# Altium PCB hep-0002.PcbDoc (part 2 of 3)
Units mm, origin at the board's own origin, x right, y up, seen from the top; angles counter-clockwise.
Board outline 120.4 x 43.4 mm, 4 copper layers (Top Layer, Signal_1, Signal_2, GND), stack 1.57 mm thick; 167 components, 143 nets, 557 pads, 227 vias.
Unrouted connection lines stored in the file: 1.
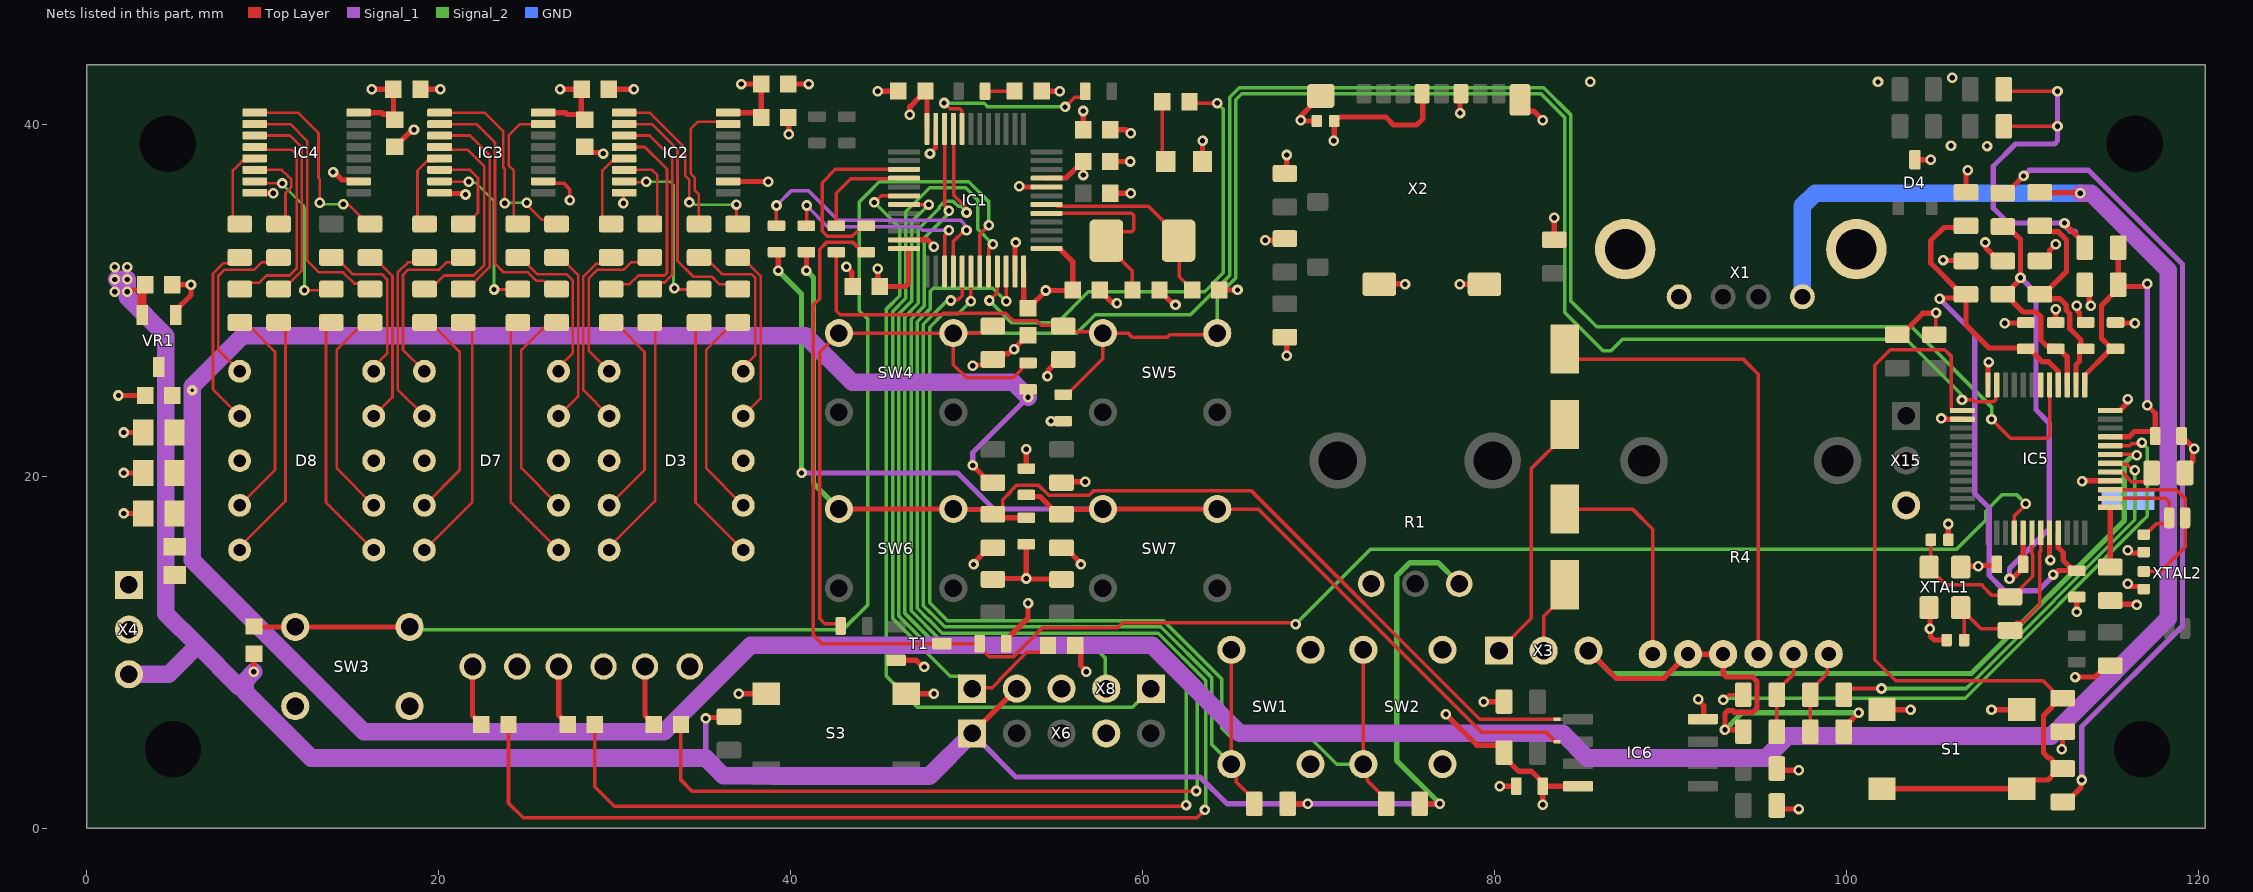
[diagram p4: the nets of this part, all layers, seen from the top]

## Part data (continued)
XTAL2: library part "XTAL_MC-146 32.7680KA-A3: PURE SN", "Crystals 32.768KHz 9pF 20ppm -40c +85C", Manufacturer=Epson, Manufacturer Part Number="MC-146 32.768KA-AC3:ROHS", Supplier Part Number 1=732-MC14632.76KAAC3R, Alternatives allowed=NO, Supplier 1=Mouser
Y1: library part "SMD-5032_2P 8MHz 20ppm 20pF", "贴片晶振", Package=SMD-5032_2P, SuppliersPartNumber=C115962, ComponentLink1Description=供应商链接, ComponentLink1URL=http://www.szlcsc.com/product/details_117214.html, Supplier=LC

## Free pads (board coordinates)
  round 1.524 hole 3.2 unplated: MT-1(4.6,38.9) MT-1(4.9,4.5) MT-2(116.4,38.9) MT-2(116.8,4.5)

## Via types
v1: diameter 0.6, hole 0.3, Top Layer to GND, 226 vias
v2: diameter 0.6, hole 0.2, Top Layer to GND, 1 vias

## Nets (pads, with @x,y where several pads share a name; then routed paths per layer and width w, separated by ;. In a path a pad name is that pad's centre, name@x,y a point inside that pad or via, vN(x,y) a via of type N, cw(c..) or ccw(c..) an arc to the next point about the centre after c; other vN are vias at no path point)
3V3: C1.2 C2.2 C3.2 C4.2 C5.1 C7.1 C14.2 C16.2 C20.2 C21.2 C22.2 C23.2 C24.2 IC1.1 IC1.9 IC1.24 IC1.36 IC1.48 IC2.10 IC2.16 IC3.10 IC3.16 IC4.10 IC4.16 R1.3 R6.2 R7.2 R8.2 R16.2 VR1.2 X4.3 X6.1 X13.2 | length 177.5
  Top Layer w0.2: IC3.10@25.95,36.725 26.018,36.657 27.125,36.657 27.266,36.516 27.266,36.499 27.46,36.305 v1(27.46,35.7)
  Top Layer w0.3: v1@2.4,30.5 2.427,30.5 2.527,30.6 C16.2@3.019,30.6 ; v1(9.5,8.9) R8.2@9.5,9.85 ; v1(14,37.3) 14.054,37.3 14.504,36.85 15.375,36.85 IC4.10@15.45,36.775 ; IC4.16@15.45,40.675 16.745,40.675 16.835,40.585 17.185,40.585 C23.2@17.43,40.34 ; v1(16.2,42) C24.2@17.43,42 C23.2@17.43,40.34 ; C23.2@17.43,40.27 C23.2@17.43,40.34 ; C23.2@17.5,40.27 C23.2@17.43,40.34 ; IC3.16@25.95,40.675 27.2,40.675 27.303,40.572 C21.2@27.998,40.572 ; v1(26.9,42) C22.2@28.1,42 ; C21.2@28.023,40.547 C21.2@28.3,40.27 ; C21.2@28.1,40.585 C22.2@28.1,42 ; C22.2@28.13,42 C22.2@28.1,42 ; v1(35.175,6.25) 35.225,6.3 35.95,6.3 36.2,6.55 R16.2@36.2,6.65 ; IC2.16@36.45,40.675 38.015,40.675 38.2,40.49 C14.2@38.2,40.4 ; IC2.10@36.67,36.8 36.708,36.762 38.713,36.762 v1(38.725,36.75) ; v1(37.2,42.3) C20.2@38.33,42.3 C14.2@38.33,40.4 ; v1(44.95,31.8) 44.95,30.92 C4.2@45.07,30.8 46.524,30.8 46.7,30.976 46.7,32.94 46.69,32.95 IC1.36@46.45,32.95 ; v1(46.775,40.55) 46.78,40.555 46.78,41.005 47.335,41.56 47.355,41.56 47.4,41.605 C3.2@47.4,41.625 ; C3.2@47.67,41.9 47.75,41.82 IC1.24@47.75,39.75 ; X6.1@50.2,5.8 50.72,5.8 X13.2@52.86,7.94 52.9,7.98 X13.2@52.9,8 ; IC1.48@53.25,31.65 53.25,29.82 C1.2@53.5,29.57 53.525,29.57 54.5,30.545 v1(54.5,30.57) 56,30.57 C2.2@56.03,30.6 56.03,32.21 55.29,32.95 IC1.1@54.55,32.95 ; IC1.9@54.55,36.95 54.56,36.96 55.66,36.96 C5.1@56.3,37.6 ; v1@56.6,37.1 v1(56.63,37.13) C5.1@56.63,37.9 ; v1@56.6,40.8 v1(56.63,40.77) C7.1@56.63,39.7 ; R6.2@68.45,1.4 v1(69.4,1.4) ; R7.2@75.95,1.4 v1(76.9,1.4)
  Top Layer w0.5: VR1.2@3.15,29.175 C16.2@3.15,30.72 ; C16.2@3.23,30.6 3.23,30.8 C16.2@3.33,30.9
  Signal_1 w0.3: 35.175,4 v1(35.175,6.25) ; X6.1@50.7,5.1 50.7,5.02 52.795,2.925 63.275,2.925 64.8,1.4 v1(69.4,1.4) v1(76.9,1.4)
  Signal_1 w1: v1@1.7,31.2 v1(2.3,31.2) v1(2.3,30.5) 2.3,30.2 4.5,28 4.5,12.2 6.3,10.4 ; X4.3@2.4,8.76 4.66,8.76 6.3,10.4 ; 8.65,8.05 6.3,10.4 ; v1(9.5,8.9) 9,8.4 9,7.749 12.749,4 35.175,4 36.175,3 39,3 ; 39,2.975 47.895,2.975 X6.1@50.32,5.4
  Signal_2 w0.3: v1(76.9,1.4) 74.446,3.854 74.446,14.337 75.212,15.103 76.797,15.103 R1.3@78,13.9
  other v1: 1.6,30.5 1.6,31.2 1.6,31.9 2.3,31.9
5V0: C15.2 C17.2 C18.2 C19.2 C25.2 L2.2 R40.2 R49.1 VR1.3 X1.1 | length 241.7
  Top Layer w0.3: v1(50.35,20.625) 50.95,20.025 50.95,19.975 51.275,19.65 R40.2@51.5,19.65 ; v1(53.5,24.5) C25.2@53.5,24.95 ; R49.1@111.05,36.1 111.075,36.125 113.275,36.125 v1(113.3,36.1)
  Signal_1 w0.3: v1(50.35,20.625) 50.35,21.35 v1(53.5,24.5)
  Signal_1 w1: v1(53.5,24.5) 52.65,25.35 43.499,25.35 40.849,28 8.872,28 6,25.128 v2(6,24.9) 6,15.249 15.749,5.5 32.827,5.5 37.727,10.4 60.539,10.4 65.539,5.4 83.886,5.4 85.286,4 95.427,4 96.677,5.25 111.651,5.25 112.237,5.836 112.237,5.868 118.3,11.931 118.3,31.729 113.929,36.1 v1(113.3,36.1)
  GND w1: X1.1@97.5,30.21 97.5,35.37 98.23,36.1 v1(113.3,36.1)
5V0_IN: L2.1 X4.1
AGND: C32.1 C33.1 C34.1 C43.1 IC5.40 NT1.1 | length 6.3
  Top Layer w0.3: v1(113.4,19.725) 113.425,19.75 IC5.40@115,19.75 ; C34.1@113.55,30.9 113.802,30.648 113.802,29.879 113.9,29.781 v1(113.9,29.7) ; C32.1@115.35,28.7 115.375,28.725 116.375,28.725 v1(116.4,28.7) ; C43.1@119.25,20.2 119.25,20.425 119.69,20.865 119.69,21.69 119.7,21.7 119.646,21.7 C33.1@119.3,22.046
  other v1: 119.775,21.575
AMP_SHD: IC5.6
Audio_Buffer: C13.1 C47.1 IC5.43 R4.1 R4.4 X3.3 | length 67.7
  Top Layer w0.2: IC5.43@115,21.25 116.45,21.25 v1(116.5,21.2)
  Top Layer w0.3: X3.3@85.34,10.1 86.926,8.514 89.614,8.514 R4.4@91,9.9 R4.1@93,9.9 93,8.776 93.176,8.6 94.68,8.6 94.925,8.355 94.925,6.845 94.68,6.6 93.62,6.6 93.524,6.696 93.276,6.696 93.1,6.52 v1(93.1,5.6) 94.05,5.6 C13.1@94.15,5.5 ; C47.1@100.088,5.037 100.088,5.963 100.694,6.569 v1(100.697,6.569)
  Signal_2 w0.3: X3.3@85.34,10.1 86.64,8.8 107.1,8.8 115.8,17.5 115.8,20.749 116.194,21.143 116.443,21.143 v1(116.5,21.2) ; v1(93.1,5.6) 94.069,6.569 v1(100.697,6.569)
Audio_Left: IC5.44 R77.2 | length 35.9
  Top Layer w0.2: v1(93,7.3) 93.017,7.3 93.317,7.6 R77.2@94.15,7.6 ; IC5.44@115,21.75 116.1,21.75 116.2,21.85 116.725,21.85 v1(116.8,21.925)
  Signal_2 w0.2: v1(93,7.3) 93.077,7.377 93.294,7.377 93.317,7.4 106.761,7.4 107.411,8.05 116.75,17.389 117.1,17.739 117.1,21.595 116.8,21.895 v1(116.8,21.925)
Audio_Left_Con: C50.2 X3.1 | length 14.4
  Top Layer w0.2: X3.1@80.26,10.1 82.1,11.94 82.1,20.45 84,22.35 C50.2@84,22.95
Audio_Right: IC5.42 R78.2 | length 25
  Top Layer w0.2: R78.2@99.85,7.6 100.2,7.95 v1(102,7.95) ; IC5.42@115,20.75 115.05,20.7 115.942,20.7 116.292,20.35 v1(116.4,20.35)
  Signal_2 w0.2: v1(102,7.95) 106.816,7.95 107.266,8.4 116.4,17.534 v1(116.4,20.35)
Audio_Right_Con: C49.2 X3.2 | length 4.2
  Top Layer w0.2: X3.2@82.8,10.1 82.8,12.05 84,13.25 C49.2@84,13.85
AVDD: R51.1 R52.1 R53.1 | length 22.1
  Top Layer w0.2: R51.1@109.05,39.925 109.075,39.9 v1(112,39.9) ; R53.1@109.05,41.925 109.075,41.9 v1(112,41.9)
  Top Layer w0.3: v1(112.4,34.4) 112.4,34.368 112.726,34.043 112.732,34.043 113.338,33.437 R52.1@113.338,33.338
  Signal_1 w0.3: v1(112,41.9) v1(112,39.9) 112,39.076 111.824,38.9 109.622,38.9 108.35,37.628 108.35,35.25 109.2,34.4 v1(112.4,34.4) 112.4,34.319 112.55,34.169 112.55,34.118 112.726,33.943 112.963,33.943 113.006,33.9
BOOT0: IC1.44 R12.2 X13.1 | length 44.5
  Top Layer w0.2: X13.1@50.36,8 51.46,8 51.85,8.39 51.85,8.435 53.425,10.01 54.51,10.01 R12.2@54.8,10.3 ; IC1.44@51.25,31.65 51.25,32.95 v1(51.5,33.2)
  Signal_2 w0.2: X13.1@50.32,7.94 49.62,8.64 49.085,8.64 45.8,11.925 45.8,29.375 46.55,30.125 46.55,35.05 47.9,36.4 49.95,36.4 50.65,35.7 50.65,34.05 v1(51.5,33.2)
"Button Reset": C27.2 IC5.13 R43.1 S1.1 S1.3 | length 52
  Top Layer w0.2: IC5.13@106.6,23.75 106.05,23.75 105.95,23.85 105.95,26.85 105.6,27.2 102.491,27.2 101.615,26.324 101.615,9.585 102.8,8.4 111.175,8.4 C27.2@112.175,7.4
  Top Layer w0.3: S1.3@102.025,2.25 S1.1@109.975,2.25 110.475,2.75 111.451,2.75 111.75,3.049 111.75,3.275 111.975,3.5 111.75,3.725 111.75,3.824 111.574,4 111.5,4 111.2,4.3 111.2,6.425 C27.2@112.175,7.4
Button_1: IC5.28 R59.2 R61.2 T1.C | length 100.9
  Top Layer w0.2: R61.2@44.3,32.75 44.1,32.75 43.55,33.3 42.04,33.3 41.65,32.91 41.65,30.1 41.3,29.75 41.3,10.984 41.784,10.5 T1.C@48.5,10.5 ; T1.C@48.6,10.5 R59.2@50.75,10.5 50.75,10.3 51.3,9.75 52.67,9.75 54.32,11.4 58.569,11.4 58.869,11.7 68.433,11.7 68.475,11.657 68.643,11.657 v1(68.7,11.6) ; IC5.28@109.55,16.8 109.55,17.75 110.2,18.4 v1(110.2,18.45)
  Signal_2 w0.2: v1(68.7,11.6) 72.95,15.85 106.243,15.85 107.407,17.014 107.421,17.014 107.925,17.518 107.925,18.032 108.843,18.95 109.7,18.95 110.15,18.5 110.2,18.5 v1(110.2,18.45)
Button_1_In: C25.1 IC5.5 R13.2 R60.2 SW4.1 SW4.3 | length 125.6
  Top Layer w0.2: R60.2@42.85,11.5 42.723,11.627 41.95,11.627 41.65,11.927 41.65,27.05 SW4.1@42.75,28.15 SW4.3@49.25,28.15 ; R13.2@51.5,28.55 51.265,28.55 50.865,28.15 SW4.3@49.25,28.15 ; C25.1@53.5,26.45 53.31,26.45 53.11,26.25 53.11,26.06 52.65,25.6 50,25.6 49.25,26.35 SW4.3@49.25,28.15 ; v1(108.25,23.25) 109.333,22.167 111.433,22.167 111.55,22.284 IC5.5@111.55,25.2
  Signal_2 w0.2: SW4.3@49.25,28.15 56.265,28.15 57.315,29.2 62.727,29.2 64.95,31.423 64.95,41.55 65.5,42.1 82.795,42.1 84.35,40.545 84.35,29.96 85.81,28.5 103.702,28.5 108.252,23.95 108.252,23.252 v1(108.25,23.25)
Button_1_MCU: IC1.41 R6.1 SW1.1 SW1.3 | length 53.1
  Top Layer w0.2: v1(49.1,30) 49.157,30.057 49.538,30.057 49.75,30.269 IC1.41@49.75,31.65 ; SW1.1@65,3.6 SW1.1@65.05,3.65 ; SW1.3@65.05,10.15 SW1.1@65.05,3.65 ; R6.1@66.35,1.4 66.35,1.625 65.318,2.657 65.318,3.382 SW1.1@65.05,3.65
  Signal_2 w0.2: v1(49.1,30) 49.043,29.943 48.843,29.943 47.55,28.65 47.55,12.65 47.95,12.25 47.972,12.25 48.772,11.45 61.048,11.45 63.95,8.548 63.95,4.75 SW1.1@65.05,3.65
BUTTON_2: C26.1 IC5.11 R41.2 R82.2 SW5.1 SW5.3 | length 102.5
  Top Layer w0.2: R82.2@42.6,32.7 42.6,29.417 42.817,29.2 48.576,29.2 48.651,29.275 52.234,29.275 52.654,28.855 53.984,28.855 54.239,28.6 R41.2@55.4,28.6 ; C26.1@55.5,24.65 55.7,24.65 57.75,26.7 SW5.1@57.75,28.15 ; R41.2@55.5,28.55 55.828,28.222 57.678,28.222 SW5.1@57.75,28.15 ; SW5.3@64.25,28.15 64.15,28.05 61.54,28.05 61.39,27.9 59.427,27.9 59.177,28.15 SW5.1@57.75,28.15 ; v1(106.575,24.35) 107.175,24.35 107.275,24.25 108.383,24.25 108.5,24.367 108.5,25.15 IC5.11@108.55,25.2
  Signal_2 w0.2: SW5.3@64.25,28.15 64.25,30.228 65.3,31.278 65.3,41.405 65.645,41.75 82.65,41.75 84,40.4 84,29.322 86.172,27.15 86.628,27.15 87.278,27.8 103.4,27.8 106.498,24.702 106.498,24.427 v1(106.575,24.35)
Button_2_MCU: IC1.42 R7.1 SW2.1 SW2.3 | length 60.3
  Top Layer w0.2: v1@50.1,29.8 v1(50.25,29.95) IC1.42@50.25,31.65 ; SW2.1@72.3,3.4 SW2.1@72.55,3.65 ; SW2.3@72.55,10.15 SW2.1@72.55,3.65 ; R7.1@73.85,1.4 73.487,1.763 73.487,2.013 72.778,2.722 72.778,3.422 SW2.1@72.55,3.65
  Signal_2 w0.2: v1(50.25,29.95) 49.539,29.239 48.664,29.239 47.9,28.475 47.9,12.817 48.917,11.8 61.193,11.8 64.5,8.493 64.5,5.7 65,5.2 69.485,5.2 71.035,3.65 SW2.1@72.55,3.65
Button_3: C28.1 NT3.1 R44.2 R62.2 SW6.1 SW6.3 | length 64.6
  Top Layer w0.2: R44.2@51.725,17.85 52.05,18.175 52.05,18.67 52.5,19.12 52.5,19.16 52.6,19.26 52.84,19.5 54.091,19.5 54.666,18.925 56.205,18.925 56.969,18.925 57.244,19.2 58.256,19.2 63.744,19.2 64.756,19.2 66.166,19.2 79.166,6.2 NT3.1@83.4,6.2 ; NT3.1@83.4,6.205 NT3.1@83.5,6.205
  Top Layer w0.3: v1(40.9,31.7) R62.2@40.9,32.75 ; SW6.1@42.75,18.15 SW6.3@49.25,18.15 49.272,18.128 51.222,18.128 R44.2@51.5,17.85 R44.2@51.725,17.85 ; R44.2@51.554,17.796 51.7,17.65 C28.1@53.35,17.65
  Signal_2 w0.3: v1(40.9,31.7) 41.3,31.3 41.3,19.6 42.5,18.4 SW6.1@42.5,18.3
Button_3_MCU: IC1.43 R8.1 SW3.1 SW3.3 | length 70.9
  Top Layer w0.2: IC1.43@50.75,31.65 50.75,33.75 v1(51.275,34.275)
  Top Layer w0.3: R8.1@9.5,11.47 9.52,11.45 SW3.1@11.85,11.45 18.05,11.45 SW3.3@18.1,11.4
  Signal_2 w0.2: SW3.3@18.35,11.45 18.5,11.3 42.983,11.3 44.4,12.717 44.4,28.927 43.9,29.427 43.9,35.6 44.4,36.1 45.05,36.75 50.125,36.75 51.275,35.6 v1(51.275,34.275)
Button_4: C29.1 NT2.1 R46.2 R68.2 SW7.1 SW7.3 | length 67.3
  Top Layer w0.15: NT2.1@83.4,4.935 83.45,4.935 NT2.1@83.5,4.935
  Top Layer w0.2: SW7.3@64.25,18.15 66.579,18.15 77.629,7.1 79.279,5.45 82.935,5.45 NT2.1@83.45,4.935
  Top Layer w0.3: R68.2@39.2,32.75 39.3,32.65 v1(39.3,31.7) ; C29.1@53.4,18.95 53.494,18.856 54.169,18.856 54.85,18.175 55.175,17.85 R46.2@55.4,17.85 55.678,18.128 57.728,18.128 SW7.1@57.75,18.15 SW7.3@64.25,18.15
  Signal_1 w0.3: v1(40.625,20.2) 49.5,20.2 51.55,18.15 SW7.1@57.75,18.15
  Signal_2 w0.3: v1@39.302,31.602 39.398,31.602 40.625,30.375 v1(40.625,20.2)
CVDD: R43.2 R54.1 | length 46.5
  Top Layer w0.3: R54.1@108.998,36.002 109.013,36.002 109.461,36.45 109.461,36.466 v1(110.075,37.08) ; R43.2@112.3,1.5 112.525,1.5 112.85,1.825 112.85,1.837 113.339,2.326 113.339,2.714 v1(113.375,2.75)
  Signal_1 w0.3: v1@110,37 110.4,37.4 113.76,37.4 119.1,32.06 119.1,11.5 113.375,5.775 v1(113.375,2.75)
GND: C1.1 C2.1 C3.1 C4.1 C5.2 C6.2 C7.2 C8.1 C9.2 C10.2 C11.1 C12.1 C14.1 C15.1 C16.1 C17.1 C18.1 C19.1 C20.1 C21.1 C22.1 C23.1 C24.1 C26.2 C27.1 C28.2 C29.2 C30.1 C31.1 C35.1 C36.1 C37.1 C38.1 C39.1 C40.1 C41.1 C42.1 C44.1 C45.1 C46.1 C48.2 D1.1 D2.1 D3.3 D3.8 D4.3 D7.3 D7.8 D8.3 D8.8 D9.1 D10.K IC1.8 IC1.23 IC1.35 IC1.47 IC2.8 IC3.8 IC4.8 IC5.12 IC5.14 IC5.32 IC5.48 IC6.4 NT1.2 R1.1 R12.1 R13.1 R42.2 R45.2 R48.2 R79.2 S1.2 S1.4 S3.2 S3.4 SW1.2 SW1.4 SW2.2 SW2.4 SW3.2 SW3.4 T1.E VR1.1 X1.4 X1.S1 X1.S2 X2.6 X2.G1 X2.G2 X2.G3 X2.G4 X4.2 X6.4 X8.3 X15.3 XTAL1.2 XTAL1.4 | length 94.4
  Top Layer w0.2: IC2.8@30.45,36.125 30.5,36.075 v1@30.5,35.6
  Top Layer w0.25: v1@47.925,38.351 48.25,38.676 IC1.23@48.25,39.75
  Top Layer w0.3: v1(1.8,24.6) C15.1@3.33,24.6 ; v1(2.1,17.9) C18.1@3.23,17.9 ; v1(2.1,20.2) C17.1@3.23,20.2 ; v1(2.1,22.5) C19.1@3.23,22.5 ; C16.1@4.87,30.9 v1(5.925,30.9) 5.925,30.3 5.05,29.425 VR1.1@5.05,29.175 ; IC4.8@9.65,36.1 v1(10.6,36.1) ; C23.1@17.5,38.73 17.525,38.73 18.313,39.518 18.336,39.518 18.519,39.7 v1(18.6,39.7) ; C24.1@18.97,42 v1(20.1,42) ; IC3.8@20.05,36.125 20.1,36.075 21.475,36.075 v1(21.525,36.025) ; C21.1@28.355,38.7 28.64,38.415 29.204,38.415 29.269,38.35 v1(29.35,38.35) ; C22.1@29.7,42 v1(31.1,42) ; v1(37.05,7.65) S3.4@38.1,7.65 ; C14.1@39.87,40.4 39.9,40.37 v1@39.9,39.504 ; C20.1@39.9,42.3 v1(41.03,42.3) ; v1(43.175,31.925) 43.175,31.911 43.475,31.611 43.475,30.855 C4.1@43.53,30.8 ; v1(44.95,41.9) C3.1@46.25,41.9 ; T1.E@46.25,9.5 46.3,9.55 47.144,9.55 47.519,9.175 v1(47.6,9.175) ; IC1.35@46.45,33.45 47.775,33.45 48.15,33.075 v1(48.15,33.05) ; S3.2@47.1,7.65 v1(48.15,7.65) ; v1@50.4,26.3 50.438,26.338 51.088,26.338 R13.1@51.35,26.6 ; R13.1@51.5,26.65 51.825,26.975 52.391,26.975 52.646,27.23 v1(52.7,27.23) 52.7,27.255 53.475,28.03 C1.1@53.5,28.03 ; R48.2@52.1,14.2 v1(53.4,14.2) ; IC1.47@52.75,31.65 52.75,33.15 v1@52.9,33.3 ; v1@52.8,33.246 v1(52.8,33.3) ; v1(53,36.5) 53.054,36.5 53.104,36.45 IC1.8@53.8,36.45 ; C28.2@53.4,16.1 v1(53.4,14.2) ; C29.2@53.4,20.5 v1(53.4,21.55) ; C9.2@54.35,41.9 v1(55.3,41.9) ; v1(54.8,23.15) C26.2@55.5,23.15 ; R79.2@55.4,14.15 55.375,14.175 53.425,14.175 v1(53.4,14.2) ; R42.2@55.7,19.7 v1(56.75,19.7) ; R12.1@56.15,10.2 56.345,10.2 56.485,10.06 56.485,9.269 56.8,8.954 v1(56.8,8.9) ; C2.1@57.55,30.595 58.238,29.907 58.493,29.907 v1(58.55,29.85) ; C5.2@58.17,37.9 v1(59.3,37.9) ; C7.2@58.17,39.7 59.052,39.7 59.249,39.504 v1(59.33,39.504) ; C12.1@58.2,36.1 v1(59.33,36.1) ; C6.2@60.95,30.595 61.795,29.75 v1(61.875,29.75) ; D10.K@63.415,37.9 v1(63.415,39.075) ; C10.2@64.45,30.6 v1(65.4,30.6) ; v1(68.192,26.868) R45.2@68.192,27.818 ; v1(69,40.25) 69.05,40.2 C48.2@69.9,40.2 ; v1@69.057,40.307 69.057,40.547 69.522,41.012 69.522,41.101 70.045,41.625 X2.G1@70.135,41.625 ; X2.G4@74.225,31.405 74.225,30.987 74.259,30.954 74.896,30.954 v1(74.925,30.925) ; v1(78.025,30.925) X2.G3@79.43,30.925 ; v1(78.05,40.65) X2.6@78.05,41.825 ; v1(80.3,2.4) C8.1@81.25,2.4 ; X2.G2@81.395,41 81.64,40.755 82.245,40.755 v1(82.75,40.25) ; v1(91.583,7.333) 91.583,7.279 91.9,6.962 IC6.4@91.9,6.35 ; S1.4@102.025,6.75 v1(103.65,6.75) v1@103.7,6.8 ; D4.3@104.07,38 v1(104.8,38) ; XTAL1.4@104.75,12.55 v1(104.75,11.35) 104.788,11.312 104.788,10.912 105,10.7 C35.1@105.7,10.7 C35.1@105.8,10.7 ; v1(105.4,23.3) 105.454,23.3 105.504,23.25 IC5.14@106.6,23.25 ; v1(105.5,32.3) 105.525,32.275 106.525,32.275 C45.1@106.55,32.3 ; C36.1@105.8,16.4 v1(105.8,17.3) ; XTAL1.2@106.55,14.85 106.6,14.9 v1(107.5,14.9) 107.538,14.938 108.462,14.938 C37.1@108.5,14.9 ; v1(107.9,33.3) 107.938,33.262 107.938,32.987 108.675,32.25 C40.1@108.9,32.25 ; IC5.12@108.05,25.2 108.05,26.396 108.1,26.446 v1(108.1,26.5) ; v1(108.25,6.75) S1.2@109.7,6.75 ; v1(109,28.7) 109.025,28.725 110.175,28.725 C44.1@110.2,28.75 ; C30.1@111.012,32.263 111.237,32.263 111.55,32.575 111.55,32.85 v1(111.9,33.2) ; IC5.32@111.55,16.8 111.55,15.3 v1(111.6,15.25) ; C41.1@111.9,28.75 v1(111.9,29.5) ; v1(112.25,4.5) 112.289,4.539 112.289,5.489 C27.1@112.3,5.5 ; C27.1@112.625,5.4 C27.1@112.833,5.192 ; v1(113,8.6) 114.125,8.6 114.775,9.25 C11.1@115,9.25 ; v1(113.1,12.3) C46.1@113.1,13.25 ; v1(113.1,29.7) 113.157,29.643 113.157,29.388 113.25,29.296 113.25,28.9 113.4,28.75 C31.1@113.6,28.75 ; IC5.48@115,23.75 115.55,23.75 115.962,24.162 115.962,24.362 v1(116,24.4) ; C42.1@115.15,12.7 115.188,12.738 116.462,12.738 v1(116.5,12.7) ; v1(116,13.9) 116.054,13.9 116.204,13.75 116.7,13.75 C39.1@116.85,13.6 ; v1(116,15.8) 116.054,15.8 116.204,15.65 C38.1@116.9,15.65
  other v1: 50.35,26.3 30.5,35.525 47.925,38.35 108,38.775 105.95,38.8 39.9,39.454 85.455,42.44 101.799,42.42 106.012,42.665
IOVDD: C8.2 C48.1 IC6.8 R41.1 R44.1 R46.1 R47.2 R50.2 R56.1 R57.1 R58.1 R59.1 R70.2 R71.2 R72.2 R76.2 R80.1 X2.4 | length 37.9
  Top Layer w0.2: R47.2@105.075,28.15 v1@105.075,29.275
  Top Layer w0.3: v1(50.4,15) 50.438,15.038 50.438,15.113 51.375,16.05 R44.1@51.5,16.05 ; R59.1@52.25,10.5 52.25,10.7 53.5,11.95 v1(53.5,12.8) ; v1(54.6,25.7) 54.638,25.738 54.638,26.013 55.275,26.65 R41.1@55.5,26.65 ; R46.1@55.4,15.95 55.625,15.95 56.462,15.113 56.462,15.038 v1(56.5,15) ; v1(66.983,33.429) 67.971,33.429 R80.1@68,33.4 ; R80.1@67.917,33.543 R80.1@67.942,33.568 ; R57.1@68.192,37.218 v1(68.192,38.268) ; v1(70.875,39.075) 70.9,39.1 C48.1@70.9,40.25 ; C48.1@70.9,40.2 C48.1@70.9,40.25 ; X2.4@75.925,41.799 75.925,40.326 75.574,39.975 74.275,39.975 73.825,40.425 71.226,40.425 71.201,40.4 71.05,40.4 C48.1@70.9,40.25 ; v1(77.246,6.483) 78.998,4.731 80.225,4.731 80.55,4.406 R70.2@80.55,4.3 80.55,4.075 81.375,3.25 82.1,3.25 82.75,2.6 C8.2@82.75,2.4 ; v1(79.4,7.2) R71.2@80.55,7.2 ; v1@82.7,1.3 v1(82.75,1.35) C8.2@82.75,2.4 ; R58.1@83.4,33.45 v1(83.4,34.7) ; IC6.8@84.75,2.395 84.748,2.398 82.753,2.398 C8.2@82.75,2.4 ; R72.2@96.35,1.1 v1(97.3,1.1) ; R76.2@96.35,3.3 v1(97.3,3.3) ; R50.2@103,28.15 R50.2@102.9,28.05 103.125,28.05 104.35,29.275 105.075,29.275 v1(105.1,29.3) ; R56.1@106.8,36.05 R56.1@106.8,36.15 106.8,37.246 106.9,37.346 v1(106.9,37.4)
LED1: IC1.45 R2.2 | length 28.3
  Top Layer w0.2: v1(51.3,30) 51.75,30.45 IC1.45@51.75,31.65 ; R2.2@62.67,41.3 62.751,41.219 v1(64.25,41.219)
  Signal_2 w0.2: v1(51.3,30) 52.575,28.725 55.15,28.725 56.925,30.5 63.532,30.5 64.6,31.568 64.6,40.869 v1(64.25,41.219)
LED2: IC1.46 R3.2 | length 94.8
  Top Layer w0.2: R3.2@23.97,5.9 23.97,1.43 24.8,0.6 63.1,0.6 v1(63.55,1.05) ; v1@52.2,29.9 v1(52.25,29.95) IC1.46@52.25,31.65
  Signal_2 w0.2: v1@52.2,30 51.5,30.7 48.117,30.7 47.95,30.533 47.95,29.545 47.2,28.795 47.2,12.505 47.805,11.9 47.827,11.9 48.627,11.1 60.903,11.1 63.6,8.403 63.6,1.1 v1(63.55,1.05)
LED3: IC1.21 R5.2 | length 93.3
  Top Layer w0.2: R5.2@28.87,5.9 28.87,2.37 29.99,1.25 62.4,1.25 v1(62.475,1.325) ; IC1.21@49.25,39.75 49.265,39.735 49.265,35.985 49.923,35.327 49.923,35.077 v1(50,35)
  Signal_2 w0.2: v1(50,35) 50,35.033 49.683,35.35 49.528,35.35 49.228,35.65 48.772,35.65 48.45,35.328 48.45,35.25 47.25,34.05 47.25,29.835 46.5,29.085 46.5,12.215 48.265,10.45 48.287,10.45 48.337,10.4 60.613,10.4 62.5,8.513 62.5,1.35 v1(62.475,1.325)
LED4: IC1.22 R10.2 | length 85.3
  Top Layer w0.2: R10.2@33.77,5.9 33.77,2.747 34.417,2.1 63.025,2.1 v1(63.05,2.125) ; IC1.22@48.75,39.75 48.75,35.417 49,35.167 v1(49,35.1)
  Signal_2 w0.2: v1(49,35.1) 49,34.992 48.851,34.842 48.851,34.801 47.6,33.55 47.6,29.69 46.85,28.94 46.85,12.36 48.41,10.8 48.432,10.8 48.482,10.75 60.758,10.75 63.1,8.408 63.1,2.175 v1(63.05,2.125)
NetC6_1: C6.1 IC1.5 Y1.1 | length 10.4
  Top Layer w0.2: IC1.5@54.55,34.95 59.383,34.95 59.5,34.833 59.5,34.017 59.383,33.9 58.45,33.9 Y1.1@57.95,33.4 ; Y1.1@58.2,32.8 58.3,32.8 59.43,31.67 C6.1@59.43,30.6
NetC9_1: C9.1 R67.1 | length 1.8
  Top Layer w0.2: R67.1@50.9,41.9 C9.1@52.73,41.9
NetC10_1: C10.1 IC1.6 Y1.2 | length 11.1
  Top Layer w0.2: IC1.6@55,35.5 55.14,35.36 60.34,35.36 62.05,33.65 Y1.2@62.05,33.4 ; Y1.2@62.1,33.3 62.1,31.355 62.83,30.625 C10.1@62.83,30.6
NetC13_2: C13.2 R4.3 R77.1 | length 4.8
  Top Layer w0.2: C13.2@96.05,5.5 R77.1@96.05,7.6 96.05,7.825 97,8.775 R4.3@97,9.9
NetC30_2: C30.2 C31.2 IC5.2 R49.2 | length 12.7
  Top Layer w0.3: C30.2@111,30.35 C30.2@111.054,30.296 ; R49.2@111,34.25 111.325,33.925 111.724,33.925 111.749,33.9 111.8,33.9 112.049,33.9 112.516,33.433 112.516,31.641 111.325,30.45 111.208,30.45 C30.2@111.054,30.296 ; IC5.2@113.05,25.2 113.05,26.35 113.25,26.55 113.25,27.1 113.4,27.25 C31.2@113.479,27.25 ; C31.2@113.6,27.25 C31.2@113.479,27.25 ; C30.2@111.054,30.296 111.25,30.1 112.149,30.1 112.5,29.749 112.5,29.451 112.7,29.251 112.7,28.4 113.329,27.771 113.329,27.4 C31.2@113.479,27.25
NetC32_2: C32.2 C33.2 C34.2 IC5.1 IC5.45 R52.2 | length 21.5
  Top Layer w0.3: IC5.1@113.55,25.2 113.55,25.75 114.9,27.1 115.1,27.1 115.15,27.1 115.2,27.15 C32.2@115.3,27.25 ; IC5.45@115,22.25 116.072,22.25 116.372,22.55 C33.2@117.45,22.55 ; C32.2@115.1,27.25 114.95,27.4 114.5,27.85 114.5,29.725 C34.2@115.4,30.625 ; R52.2@115.45,32.9 115.45,31.25 C34.2@115.5,31.2 ; C34.2@115.5,30.8 116.869,30.8 117.019,30.95 v1(117.1,30.95) ; v1(117.1,24.048) 117.554,23.594 C33.2@117.554,22.55
  Signal_1 w0.3: v1(117.1,24.048) v1(117.1,30.95)
NetC35_2: C35.2 IC5.31 R55.2 XTAL1.1 | length 11.8
  Top Layer w0.2: C35.2@106.7,10.7 106.7,12.4 106.55,12.55 106.9,12.55 106.9,12.1 107.65,11.35 109.3,11.35 109.663,11.713 110.013,11.713 111,12.7 111,15.707 111.05,15.757 IC5.31@111.05,16.8
NetC36_2: C36.2 IC5.30 R55.1 XTAL1.3 | length 11.2
  Top Layer w0.2: XTAL1.3@104.75,14.85 104.8,14.9 XTAL1.3@104.8,14.98 ; C36.2@104.8,16.4 XTAL1.3@104.8,14.98 ; IC5.30@110.55,16.8 110.55,15.61 110.58,15.58 110.6,15.56 110.6,14.325 109.525,13.25 108.25,13.25 107.72,13.78 107.72,13.833 105.667,13.833 104.8,14.7 104.8,14.85 XTAL1.3@104.8,14.98
NetC37_2: C37.2 C40.2 C41.2 IC5.3 IC5.29 R54.2 | length 33.2
  Top Layer w0.3: C40.2@109.125,30.45 109.9,31.225 v1(109.9,31.3) 109.9,33.475 109.45,33.925 R54.2@109.225,34.15 ; C40.2@109.2,30.2 109.275,30.2 109.45,30.025 109.45,29.95 110.05,29.35 110.78,29.35 111.05,29.08 111.05,27.75 111.4,27.4 111.75,27.4 C41.2@111.9,27.25 ; v1(109.275,14.175) 109.332,14.232 109.482,14.232 110.05,14.8 110.05,16.25 IC5.29@110.05,16.8 ; C41.2@112,27.35 112.55,26.8 IC5.3@112.55,25.2
  Signal_1 w0.3: v1(109.275,14.175) 109.275,14.775 111.525,17.025 111.525,23.048 110.783,23.79 110.783,30.417 v1(109.9,31.3)
NetC38_2: C38.2 IC5.38 XTAL2.1 | length 6.3
  Top Layer w0.2: IC5.38@115,18.75 118.15,18.75 118.35,18.55 XTAL2.1@118.35,17.65 118.35,17.496 118.154,17.3 117.6,17.3 117.2,16.9 117.1,16.9 C38.2@116.9,16.7
NetC39_2: C39.2 IC5.39 XTAL2.4 | length 10.2
  Top Layer w0.2: IC5.39@115,19.25 118.75,19.25 119.25,18.75 XTAL2.4@119.25,17.65 119.25,15.975 117.875,14.6 C39.2@116.9,14.6
NetC42_2: C42.2 IC5.37 | length 3.4
  Top Layer w0.3: C42.2@115,14.85 IC5.37@115,18.25
NetC43_2: C43.2 IC5.41 | length 2.9
  Top Layer w0.2: IC5.41@115,20.25 115.05,20.2 115.732,20.2 115.95,19.982 115.95,19.943 116.193,19.7 116.976,19.7 117.35,20.074 C43.2@117.35,20.2
NetC44_2: C44.2 C45.2 C46.2 IC5.4 IC5.33 R56.2 | length 42.2
  Top Layer w0.3: v1(105.3,30.1) 105.338,30.138 C45.2@106.713,30.138 ; C45.2@106.8,30.35 106.8,28.6 108.1,27.3 110.35,27.3 111.124,26.526 111.476,26.526 112.05,25.952 IC5.4@112.05,25.2 ; R56.2@106.8,34.15 105.55,34.15 104.8,33.4 104.8,32.125 106.494,30.431 106.8,30.431 106.862,30.431 107.006,30.431 C45.2@106.903,30.328 ; v1(111.75,14.425) 111.831,14.425 112.056,14.65 C46.2@112.9,14.65 ; IC5.33@112.05,16.8 112.05,15.948 112.326,15.672 112.326,15.224 C46.2@112.9,14.65 ; C46.2@113.1,14.65 C46.2@112.9,14.65
  Signal_1 w0.3: v1(105.3,30.1) 107.3,28.1 107.3,19.022 107.672,18.65 108.125,18.197 108.125,14.375 109,13.5 110.9,13.5 111.75,14.35 v1(111.75,14.425)
NetC47_2: C47.2 R4.6 R78.1 | length 4.8
  Top Layer w0.2: C47.2@97.95,5.5 R78.1@97.95,7.6 97.95,7.825 98.925,8.8 98.925,9.825 R4.6@99,9.9
NetC49_1: C49.1 R4.5 | length 12.6
  Top Layer w0.2: C49.1@84,18.15 87.85,18.15 89,17 R4.5@89,9.9
NetC50_1: C50.1 R4.2 | length 27.5
  Top Layer w0.2: C50.1@84,27.25 84.575,26.675 94.125,26.675 95,25.8 R4.2@95,9.9
NetD1_2: D1.2 R5.1 | length 3.5
  Top Layer w0.3: D1.2@26.83,9.2 26.83,6.425 27.33,5.925 R5.1@27.33,5.9
NetD2_2: D2.2 R3.1 | length 3.5
  Top Layer w0.3: D2.2@21.93,9.2 21.93,6.425 22.43,5.925 R3.1@22.43,5.9
NetD3_1: D3.1 R14.2 | length 9.7
  Top Layer w0.15: D3.1@29.69,25.98 28.525,27.145 28.525,31.249 29.026,31.75 30.285,31.75 30.524,31.75 30.942,32.169 31.494,32.169 R14.2@31.775,32.45 ; R14.2@32.075,32.45 R14.2@32.3,32.45
NetD3_2: D3.2 R9.2 | length 10.6
  Top Layer w0.15: D3.2@29.69,23.44 28.225,24.905 28.225,31.374 28.938,32.087 29.437,32.087 R9.2@29.8,32.45
NetD3_4: D3.4 R20.1 | length 11.9
  Top Layer w0.15: D3.4@29.69,18.36 31.7,20.37 31.7,27.084 30.3,28.484 R20.1@30.3,28.85
NetD3_5: D3.5 R19.1 | length 14
  Top Layer w0.15: D3.5@29.69,15.82 29.69,15.99 32.3,18.6 R19.1@32.3,28.75
NetD3_6: D3.6 R17.2 | length 14.1
  Top Layer w0.15: R17.2@34.809,28.75 34.6,28.541 34.6,18.53 D3.6@37.31,15.82
NetD3_7: D3.7 R18.1 | length 11.9
  Top Layer w0.15: R18.1@36.6,28.85 36.6,28.59 36.36,28.35 35.2,27.19 35.2,20.47 D3.7@37.31,18.36
NetD3_9: D3.9 R15.1 | length 10.1
  Top Layer w0.15: R15.1@37.009,32.45 37.25,32.45 38.3,31.4 38.3,24.43 D3.9@37.31,23.44
NetD3_10: D3.10 R11.1 | length 9.3
  Top Layer w0.15: R11.1@34.809,32.45 35.182,32.077 35.523,32.077 36.1,31.5 37.776,31.5 38,31.276 38,26.9 37.31,26.21 D3.10@37.31,25.98
NetD7_1: D7.1 R25.2 | length 9.9
  Top Layer w0.15: D7.1@19.19,25.98 17.975,27.195 17.975,31.461 18.264,31.75 20.024,31.75 20.442,32.169 20.994,32.169 R25.2@21.275,32.45 ; R25.2@21.575,32.45 R25.2@21.8,32.45
NetD7_2: D7.2 R21.2 | length 10.8
  Top Layer w0.15: D7.2@19.19,23.44 17.675,24.955 17.675,31.586 18.258,32.169 19.019,32.169 R21.2@19.3,32.45
NetD7_4: D7.4 R31.1 | length 11.9
  Top Layer w0.15: D7.4@19.19,18.36 21.2,20.37 21.2,27.084 19.8,28.484 R31.1@19.8,28.85
NetD7_5: D7.5 R30.1 | length 14.5
  Top Layer w0.15: D7.5@19.19,15.99 D7.5@19.19,15.82 21.9,18.53 21.9,28.353 21.628,28.625 R30.1@21.375,28.625
NetD7_6: D7.6 R28.2 | length 14.1
  Top Layer w0.15: R28.2@24.309,28.75 24.1,28.541 24.1,18.53 D7.6@26.81,15.82
NetD7_7: D7.7 R29.1 | length 11.9
  Top Layer w0.15: R29.1@26.1,28.85 26.1,28.59 25.86,28.35 24.7,27.19 24.7,20.47 D7.7@26.81,18.36
NetD7_9: D7.9 R27.1 | length 10.1
  Top Layer w0.15: R27.1@26.75,32.45 26.925,32.45 27.925,31.45 27.925,24.555 D7.9@26.81,23.44
NetD7_10: D7.10 R22.1 | length 9.4
  Top Layer w0.15: R22.1@24.309,32.45 24.682,32.077 25.023,32.077 25.6,31.5 27.276,31.5 27.6,31.176 27.6,31.174 27.625,31.149 27.625,27.025 26.81,26.21 D7.10@26.81,25.98
NetD8_1: D8.1 R34.2 | length 9.9
  Top Layer w0.15: D8.1@8.69,25.98 7.475,27.195 7.475,31.399 7.826,31.75 9.524,31.75 9.942,32.169 10.494,32.169 R34.2@10.775,32.45 ; R34.2@11.075,32.45 R34.2@11.3,32.45
NetD8_2: D8.2 R32.2 | length 10.7
  Top Layer w0.15: D8.2@8.69,23.44 7.175,24.955 7.175,31.524 7.775,32.124 8.474,32.124 R32.2@8.8,32.45
NetD8_4: D8.4 R39.1 | length 11.9
  Top Layer w0.15: D8.4@8.69,18.36 10.7,20.37 10.7,27.084 9.3,28.484 R39.1@9.3,28.85
NetD8_5: D8.5 R38.1 | length 14
  Top Layer w0.15: D8.5@8.69,15.82 8.69,15.99 11.3,18.6 R38.1@11.3,28.75
NetD8_6: D8.6 R36.2 | length 14.1
  Top Layer w0.15: R36.2@13.809,28.75 13.6,28.541 13.6,18.53 D8.6@16.31,15.82
NetD8_7: D8.7 R37.1 | length 11.9
  Top Layer w0.15: R37.1@15.6,28.85 15.6,28.59 15.36,28.35 14.2,27.19 14.2,20.47 D8.7@16.31,18.36
NetD8_9: D8.9 R35.1 | length 10
  Top Layer w0.15: R35.1@16.25,32.45 16.325,32.45 17.375,31.4 17.375,24.505 D8.9@16.31,23.44
NetD8_10: D8.10 R33.1 | length 9.3
  Top Layer w0.15: R33.1@13.809,32.45 14.182,32.077 14.523,32.077 15.1,31.5 16.776,31.5 17.075,31.201 17.075,26.975 16.31,26.21 D8.10@16.31,25.98
NetD9_2: D9.2 R10.1 | length 3.5
  Top Layer w0.3: D9.2@31.73,9.2 31.73,6.425 32.23,5.925 R10.1@32.23,5.9
NetD10_A: D10.A R2.1 | length 4
  Top Layer w0.2: R2.1@60.765,40.935 R2.1@61.13,41.3 61.13,38.085 D10.A@61.315,37.9
NetIC1_20: IC1.20 R26.1 | length 10.9
  Top Layer w0.2: v1(48.725,41.225) 48.75,41.225 49.075,40.9 49.611,40.9 49.734,40.777 49.734,39.766 IC1.20@49.75,39.75 ; v1(55.6,41) 56.15,41.55 56.55,41.55 56.7,41.7 R26.1@56.7,41.9
  Signal_2 w0.2: v1@48.65,41.2 51.001,41.2 51.201,41 v1(55.6,41)
NetIC1_27: IC1.27 R61.1 | length 10.6
  Top Layer w0.2: R61.1@44.3,34.2 44.05,34.2 43.5,33.65 42.09,33.65 41.8,33.94 41.8,36.7 42.55,37.45 IC1.27@46.45,37.45
NetIC1_28: IC1.28 R82.1 | length 5.5
  Top Layer w0.2: R82.1@42.6,34.25 42.6,36.1 43.425,36.925 IC1.28@45.915,36.925
NetIC1_30: IC1.30 X8.1 | length 45.9
  Top Layer w0.2: v1(44.75,35.575) 44.778,35.575 45.153,35.95 IC1.30@46.45,35.95
  Signal_2 w0.2: v1(44.75,35.575) 46.2,34.125 46.2,30.27 45.45,29.52 45.45,8.65 47.21,6.89 59.43,6.89 X8.1@60.48,7.94
NetIC1_31: IC1.31 X8.2 | length 40
  Top Layer w0.2: IC1.31@46.45,35.45 v1(47.85,35.45) v1@47.9,35.5
  Signal_2 w0.2: v1(47.85,35.45) 46.9,34.5 46.9,29.98 46.15,29.23 46.15,12.07 48.17,10.05 57.506,10.05 57.895,9.661 X8.2@57.895,7.985
NetIC1_39: IC1.39 R62.1 | length 12.3
  Top Layer w0.2: R62.1@40.9,34.25 40.925,34.275 v1(40.925,35.4) ; IC1.39@48.75,31.65 48.75,33.683 49,33.933 v1(49,34)
  Signal_1 w0.2: v1(40.925,35.4) 40.925,35.375 42.1,34.2 47.275,34.2 47.475,34 v1(49,34)
NetIC1_40: IC1.40 R68.1 | length 16
  Top Layer w0.2: R68.1@39.2,34.25 v1(39.2,35.4) ; IC1.40@49.25,31.65 49.25,33.35 49.9,34 v1(50,34)
  Signal_1 w0.2: v1@39.202,35.498 39.298,35.498 40.05,36.25 41,36.25 42.7,34.55 49.672,34.55 49.837,34.385 49.837,34.371 49.923,34.285 49.923,34.077 v1(50,34)
NetIC2_1: IC2.1 R15.2 | length 11.3
  Top Layer w0.15: IC2.1@30.55,40.675 31.995,40.675 34.025,38.645 34.025,37.084 34.25,36.859 v1(34.25,35.575) ; R15.2@36.925,34.325 v1(36.925,35.45)
  Signal_2 w0.15: v1(34.25,35.575) 34.336,35.489 34.524,35.489 34.563,35.45 v1(36.925,35.45)
NetIC2_2: IC2.2 R18.2 | length 13.9
  Top Layer w0.15: IC2.2@30.55,40.025 32.126,40.025 33.575,38.576 33.575,32.251 34.476,31.35 35.524,31.35 35.942,30.931 36.719,30.931 R18.2@36.9,30.75
NetIC2_3: IC2.3 R19.2 | length 11.5
  Top Layer w0.15: IC2.3@30.55,39.375 31.992,39.375 33.275,38.092 33.275,31.453 32.845,31.023 32.382,31.023 R19.2@32.009,30.65
NetIC2_4: IC2.4 R20.2 | length 12.2
  Top Layer w0.15: R20.2@30.034,30.65 30.315,30.931 30.858,30.931 31.351,31.425 32.823,31.425 32.975,31.577 32.975,37.463 31.713,38.725 IC2.4@30.55,38.725
NetIC2_5: IC2.5 R9.1 | length 4.9
  Top Layer w0.15: R9.1@29.899,34.35 29.697,34.35 29.3,34.747 29.3,37.385 29.84,37.925 30.4,37.925 IC2.5@30.55,38.075
NetIC2_6: IC2.6 R14.1 | length 5
  Top Layer w0.15: IC2.6@30.55,37.425 32.137,37.425 32.425,37.137 32.425,34.747 32.028,34.35 R14.1@32,34.35
NetIC2_7: IC2.7 R17.1 | length 10.3
  Top Layer w0.15: IC2.7@30.4,36.625 IC2.7@30.55,36.775 ; IC2.7@30.85,36.725 31.775,36.725 v1(31.8,36.75) ; v1(33.4,30.7) 33.475,30.625 R17.1@34.8,30.625 ; R17.1@34.275,30.75 R17.1@34.5,30.75 ; R17.1@34.8,30.65 R17.1@34.809,30.65
  Signal_2 w0.15: v1(31.8,36.75) 33.15,36.75 33.35,36.55 33.35,30.75 v1(33.4,30.7)
NetIC2_15: IC2.15 R11.2 | length 7.9
  Top Layer w0.15: R11.2@34.8,34.35 34.775,34.375 34.775,36.051 34.55,36.276 34.55,36.983 34.325,37.208 34.325,39.75 34.725,40.15 36.325,40.15 IC2.15@36.45,40.025
NetIC3_1: IC3.1 R27.2 | length 11.7
  Top Layer w0.15: IC3.1@20.05,40.675 22.609,40.675 23.675,39.609 23.675,37.555 23.75,37.48 v1(23.75,35.525) ; v1(25,35.55) 25,35.45 25.863,34.587 26.463,34.587 R27.2@26.7,34.35
  Signal_2 w0.15: v1(23.75,35.525) 23.775,35.55 v1(25,35.55)
NetIC3_2: IC3.2 R29.2 | length 14.2
  Top Layer w0.15: IC3.2@20.05,40.025 22.143,40.025 23.2,38.968 23.2,32.1 23.7,31.6 25.076,31.6 25.544,31.132 25.987,31.132 26.369,30.75 R29.2@26.4,30.75
NetIC3_3: IC3.3 R30.2 | length 11.6
  Top Layer w0.15: IC3.3@20.05,39.375 21.78,39.375 22.9,38.255 22.9,31.906 21.644,30.65 R30.2@21.509,30.65
NetIC3_4: IC3.4 R31.2 | length 12.2
  Top Layer w0.15: R31.2@19.534,30.735 19.822,31.023 19.907,31.023 20.309,31.425 21.995,31.425 22.6,32.03 22.6,37.603 21.628,38.575 20.2,38.575 IC3.4@20.05,38.725
NetIC3_5: IC3.5 R21.1 | length 4.9
  Top Layer w0.15: R21.1@19.399,34.35 19.197,34.35 18.8,34.747 18.8,37.385 19.34,37.925 19.9,37.925 IC3.5@20.05,38.075
NetIC3_6: IC3.6 R25.1 | length 5.4
  Top Layer w0.15: IC3.6@20.05,37.425 21.784,37.425 22.241,36.968 22.241,34.99 21.601,34.35 R25.1@21.5,34.35
NetIC3_7: IC3.7 R28.1 | length 10.5
  Top Layer w0.15: IC3.7@19.9,36.625 IC3.7@20.05,36.775 ; IC3.7@20.325,36.85 20.425,36.75 v1(21.716,36.75) ; v1(23.15,30.625) R28.1@24.059,30.625 ; R28.1@24,30.75 R28.1@24.3,30.75 ; R28.1@24.309,30.65 24.084,30.65 R28.1@24.059,30.625 ; R28.1@24.5,30.65 24.475,30.625 R28.1@24.059,30.625
  Signal_2 w0.15: v1(21.716,36.75) 21.77,36.696 22.104,36.696 23.15,35.65 v1(23.15,30.625)
NetIC3_15: IC3.15 R22.2 | length 7.1
  Top Layer w0.15: R22.2@24.25,34.7 24.275,34.725 24.275,37.379 23.975,37.679 23.975,39.375 24.625,40.025 IC3.15@25.95,40.025
NetIC4_1: IC4.1 R35.2 | length 11.5
  Top Layer w0.15: IC4.1@9.55,40.675 12.019,40.675 13.175,39.519 13.175,36.958 13.25,36.883 v1(13.25,35.55) ; v1(14.575,35.475) 14.85,35.475 15.502,34.823 15.502,34.747 15.899,34.35 R35.2@16.1,34.35
  Signal_2 w0.15: v1(13.25,35.55) 13.325,35.475 v1(14.575,35.475)
NetIC4_2: IC4.2 R37.2 | length 14.2
  Top Layer w0.15: IC4.2@9.55,40.025 11.575,40.025 12.53,39.071 12.53,33.646 12.543,33.633 12.543,32.257 13.2,31.6 14.576,31.6 15.206,30.97 15.68,30.97 R37.2@15.9,30.75
NetIC4_3: IC4.3 R38.2 | length 11.6
  Top Layer w0.15: IC4.3@9.55,39.375 11.55,39.375 12.23,38.696 12.23,31.696 11.583,31.05 11.549,31.05 11.149,30.65 R38.2@11.009,30.65
NetIC4_4: IC4.4 R39.2 | length 12.4
  Top Layer w0.15: R39.2@9.034,30.65 9.384,31 9.8,31 10.225,31.425 11.534,31.425 11.93,31.821 11.93,38.295 11.65,38.575 9.7,38.575 IC4.4@9.55,38.725
NetIC4_5: IC4.5 R32.1 | length 4.9
  Top Layer w0.15: R32.1@8.899,34.35 8.697,34.35 8.3,34.747 8.3,37.385 8.84,37.925 9.4,37.925 IC4.5@9.55,38.075
NetIC4_6: IC4.6 R34.1 | length 5.1
  Top Layer w0.15: IC4.6@9.55,37.425 11.077,37.425 11.458,37.044 11.63,36.872 11.63,36.437 11.458,36.266 11.3,36.108 11.3,34.65 R34.1@11,34.35
NetIC4_7: IC4.7 R36.1 | length 10
  Top Layer w0.15: IC4.7@9.55,36.775 9.67,36.655 v1(11.105,36.655) ; v1(12.375,30.575) 13.825,30.575 R36.1@13.9,30.65 ; R36.1@13.275,30.75 R36.1@13.5,30.75
  Signal_2 w0.15: v1(11.105,36.655) 11.105,36.62 12.325,35.4 12.325,35.333 12.375,35.283 v1(12.375,30.575)